# KiCad board trifecta.kicad_pcb (continued)
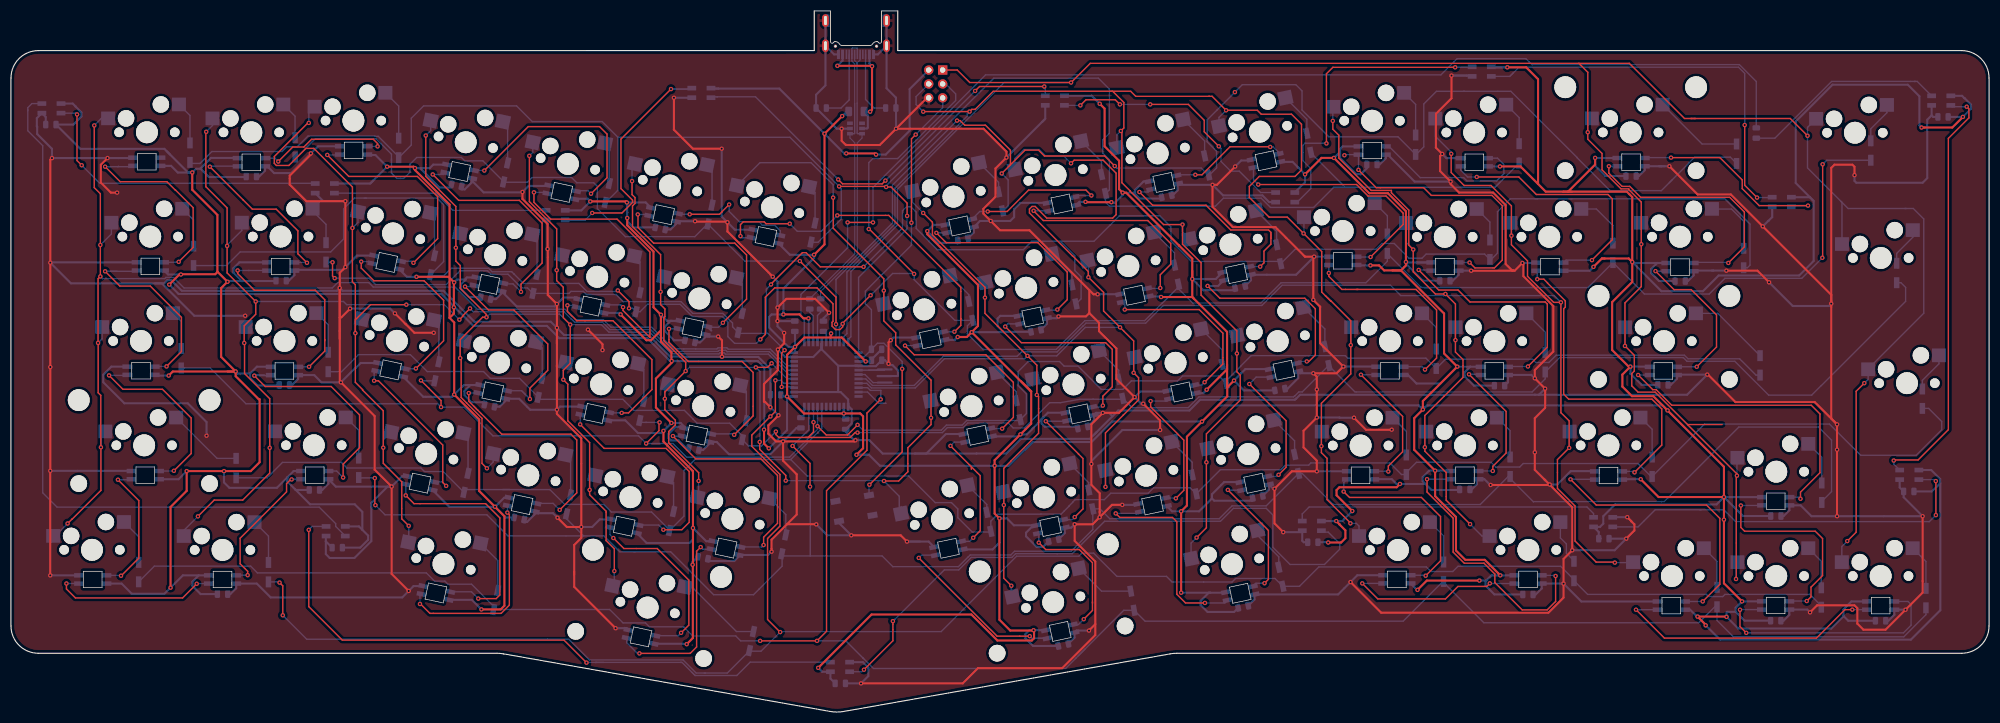
[diagram p0: board, top side]
## Routing (per net, layer and track width the routed paths; a pad name or vN(x,y) marks a point on that pad's centre or on a via; arc(x,y) is an arc through that point) (continued)
Net-(ULED10-Pad4): length 46.1
  Top w0.25: v1(120.45,113.74) 111.32,104.6 111.32,95.56 113.44,93.44 113.44,93.05 111.5,91.11 v1(106.08,91.11)
  Bottom w0.25: ULED10.4 124.08,113.74 v1(120.45,113.74) 123.57,113.74 123.66,113.82 ; ULED9.2 101.2,89.81 104.77,89.81 v1(106.08,91.11)
Net-(ULED11-Pad2): length 48.6
  Top w0.25: 207.91,110.93 v1(207.9,110.94) 214.87,110.94 217.77,108.03 217.77,105.94 v1(220.42,103.28) ; v1(195.16,110.76) 196.18,111.78 201.53,111.78 v1(202.37,110.94)
  Bottom w0.25: v1(220.42,103.28) 220.82,102.88 220.82,100.52 222.6,98.75 224.16,98.75 228.06,94.85 ULED12.4 ; v1(207.9,110.94) v1(202.37,110.94) ; ULED11.2 v1(195.16,110.76)
Net-(ULED12-Pad2): length 58.9
  Top w0.25: v1(263.56,117.7) 241.24,117.7 240.07,116.53 v1(240.07,103.81)
  Bottom w0.25: v1(240.07,103.81) 240.03,103.85 236.16,103.85 235.75,103.44 235.75,102.27 235.78,102.24 235.78,100.64 237.23,99.19 237.23,95.58 234.74,93.1 ULED12.2 ; ULED13.4 266.57,117.7 v1(263.56,117.7) 263.57,117.71 265.69,117.71
Net-(ULED13-Pad2): length 73.8
  Top w0.25: v1(318.66,93.92) 316.4,96.18 v1(316.4,107.17)
  Bottom w0.25: 274.16,116.68 273.68,116.21 ; 274.16,116.68 273.52,116.05 ULED13.2 ; 274.16,116.68 275.2,117.73 315.27,117.73 316.4,116.6 v1(316.4,107.17) ; v1(318.66,93.92) 320.65,93.92 320.71,93.98

## Copper pours and planes (outline as drawn; the poured copper is in the pictures)
GND on Top: 371.54,-12.26 151.22,-12.26 -3.53,2.67 -3.53,135.12 371.54,135.12
GND on Bottom: 153.27,63.93 163.47,63.93 163.47,58.43 153.27,58.33
GND on Bottom: 146.67,121.43 146.57,109.23 161.67,109.33 161.47,121.43
GND on Bottom: 370.96,136.94 370.96,-11.25 160.98,-12.73 -3.73,1.55 -3.73,135.21 -3.73,137.91
GND on Bottom: 142.09,68.3 142.09,54.93 155.49,54.93 155.47,68.3
(no net) on Top: 371.05,-12.18 147.44,-12.18 -3.06,1.41 -3.06,132.66 -3.6,135.22 371.05,137.04
(no net) on Bottom: 371.47,137.54 371.18,-11.34 158.2,-11.93 -3.38,2 -3.07,136 -3.24,138.95

## Text on the board
B.SilkS: Keep Away From Orange Snacks. | Designed by Swiftrax and 2Moons
